# KiCad board ARTIQAmp.kicad_pcb (continued)
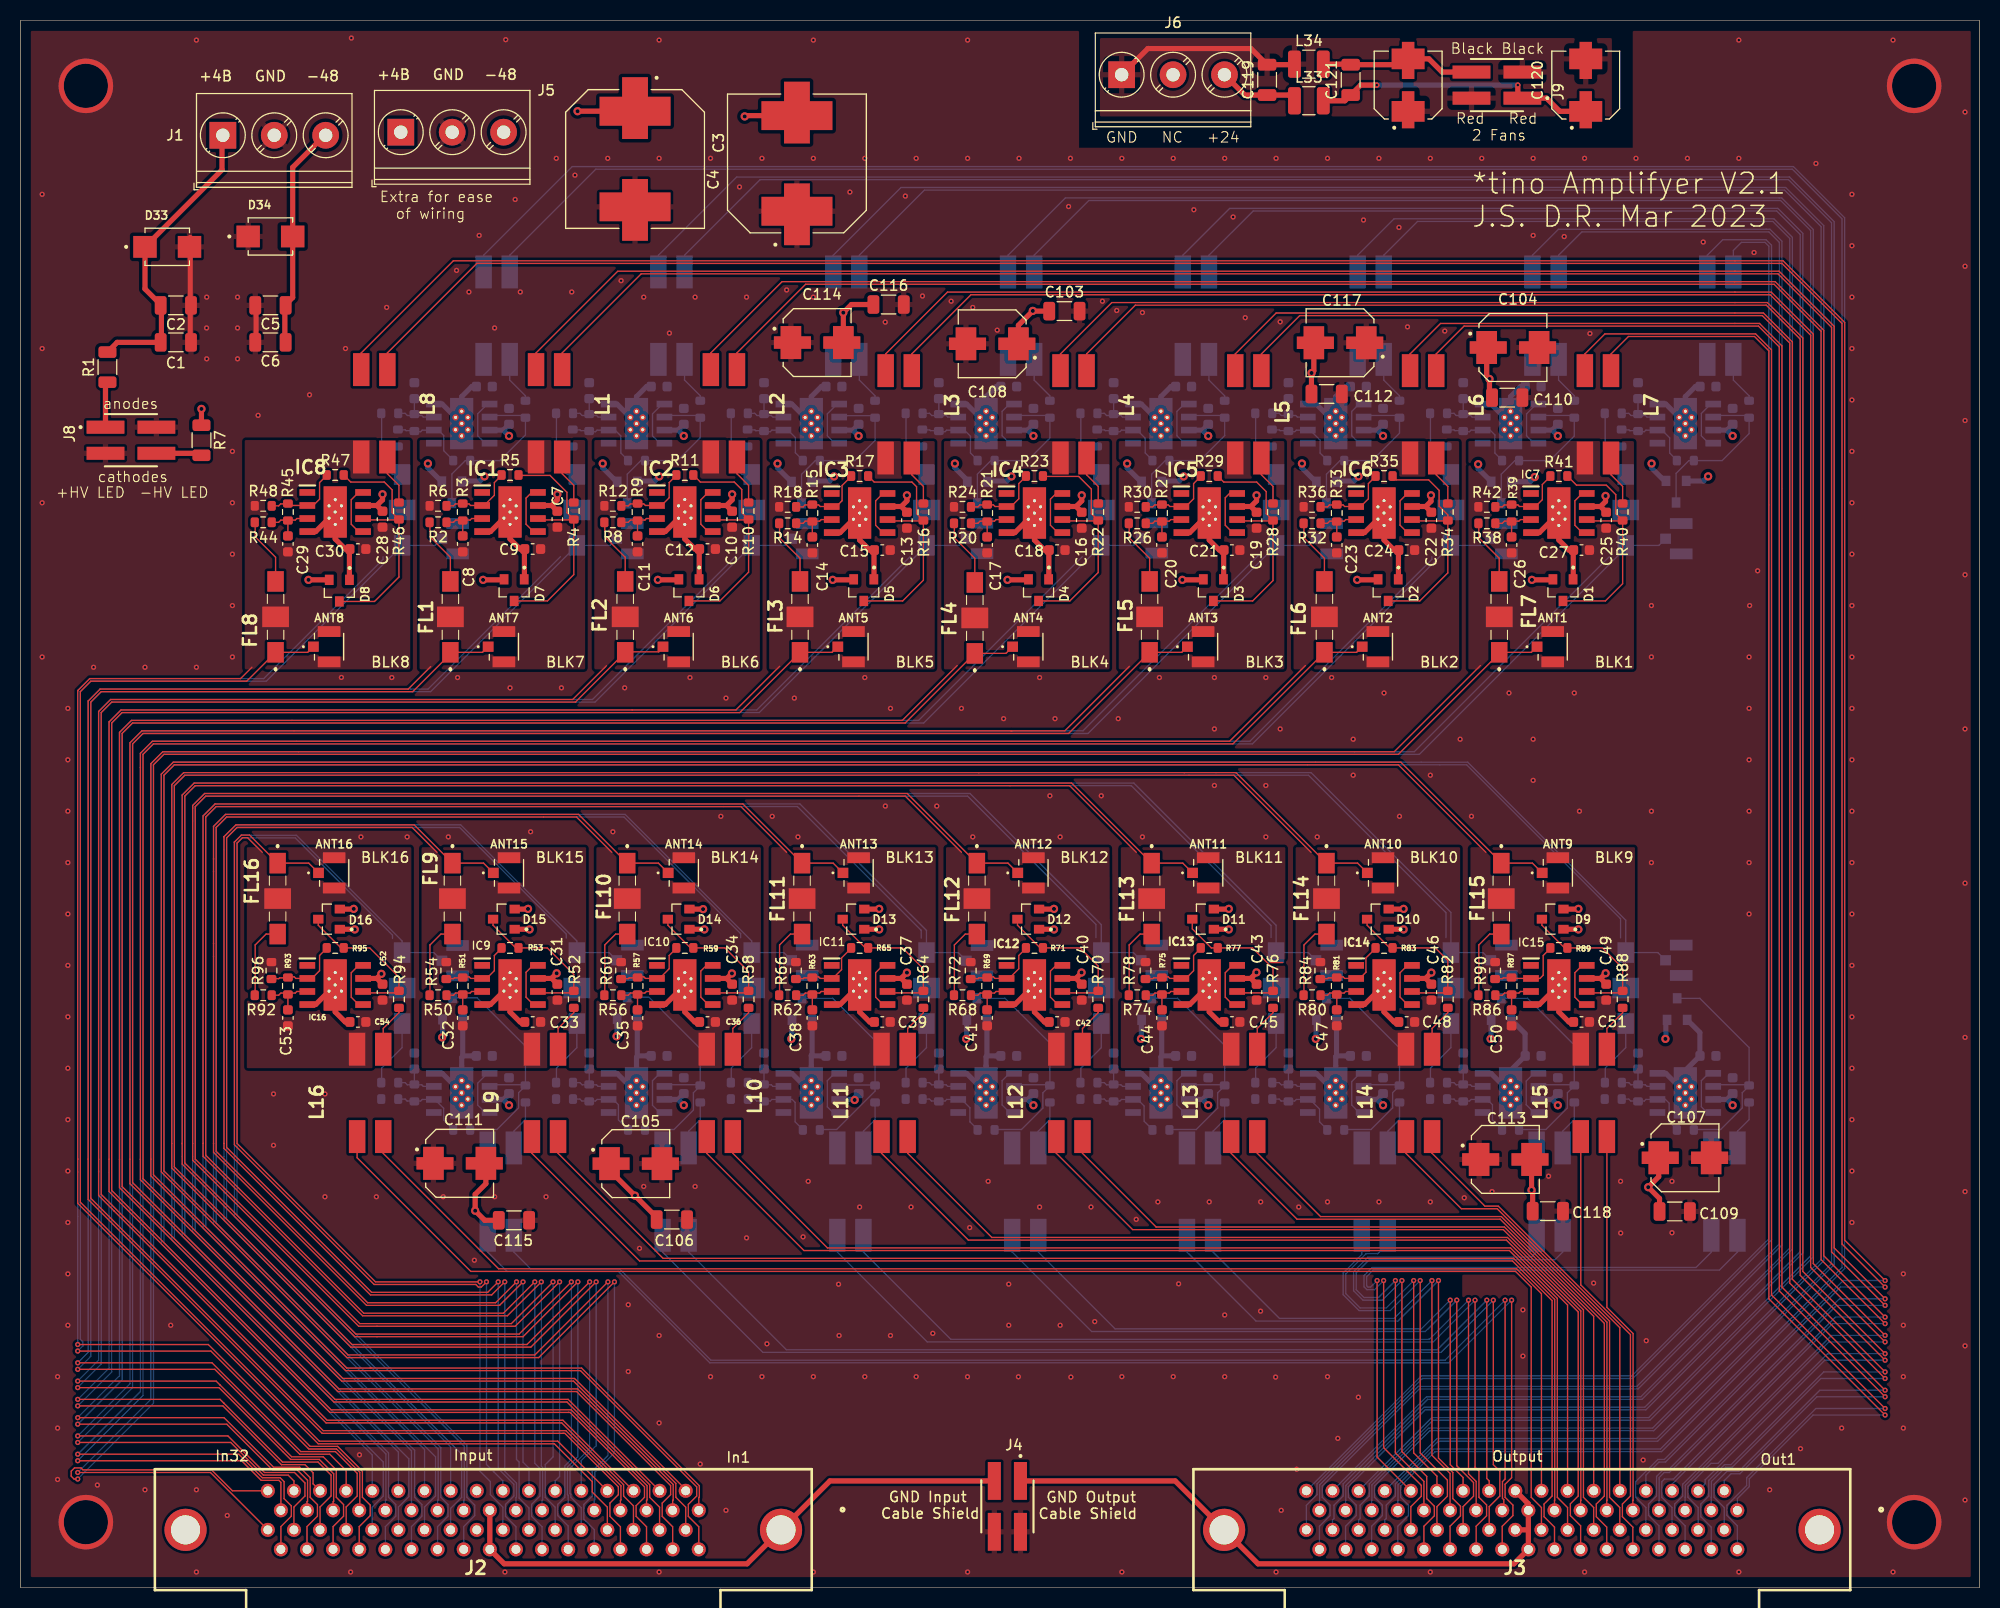
[diagram p0: board, top side]
## Placement (name value [footprint] x y rotation side) (continued)
R80  100  [R_0603_1608Metric]  125.6 57.6 180 top
R81  4.99k  [R_0603_1608Metric]  128 58.5 90 top
R82  30  [R_0603_1608Metric]  138.8 57.2 90 top
R83  4.99k  [R_0603_1608Metric]  132.6 62.2 0 top
R84  1.65k  [R_0603_1608Metric]  126.4 60 270 top
R86  100  [R_0603_1608Metric]  142.6 57.6 180 top
R87  4.99k  [R_0603_1608Metric]  145 58.5 90 top
R88  30  [R_0603_1608Metric]  155.8 57.2 90 top
R89  4.99k  [R_0603_1608Metric]  149.6 62.2 0 top
R90  1.65k  [R_0603_1608Metric]  143.4 60 270 top
R92  100  [R_0603_1608Metric]  23.6 57.6 180 top
R93  4.99k  [R_0603_1608Metric]  26 58.5 90 top
R94  30  [R_0603_1608Metric]  36.8 57.2 90 top
R95  4.99k  [R_0603_1608Metric]  30.6 62.2 0 top
R96  1.65k  [R_0603_1608Metric]  24.4 60 270 top
R98  100  [R_0603_1608Metric]  52.9 114.2 180 bottom
R99  4.99k  [R_0603_1608Metric]  55.3 113.3 270 bottom
R100  30  [R_0603_1608Metric]  66.1 114.6 270 bottom
R101  4.99k  [R_0603_1608Metric]  59.9 109.6 0 bottom
R102  1.65k  [R_0603_1608Metric]  53.7 111.8 90 bottom
R104  100  [R_0603_1608Metric]  69.9 114.2 180 bottom
R105  4.99k  [R_0603_1608Metric]  72.3 113.3 270 bottom
R106  30  [R_0603_1608Metric]  83.1 114.6 270 bottom
R107  4.99k  [R_0603_1608Metric]  76.9 109.6 0 bottom
R108  1.65k  [R_0603_1608Metric]  70.7 111.8 90 bottom
R110  100  [R_0603_1608Metric]  86.9 114.2 180 bottom
R111  4.99k  [R_0603_1608Metric]  89.3 113.3 270 bottom
R112  30  [R_0603_1608Metric]  100.1 114.6 270 bottom
R113  4.99k  [R_0603_1608Metric]  93.9 109.6 0 bottom
R114  1.65k  [R_0603_1608Metric]  87.7 111.8 90 bottom
R116  100  [R_0603_1608Metric]  103.9 114.2 180 bottom
R117  4.99k  [R_0603_1608Metric]  106.3 113.3 270 bottom
R118  30  [R_0603_1608Metric]  117.1 114.6 270 bottom
R119  4.99k  [R_0603_1608Metric]  110.9 109.6 0 bottom
R120  1.65k  [R_0603_1608Metric]  104.7 111.8 90 bottom
R122  100  [R_0603_1608Metric]  120.9 114.2 180 bottom
R123  4.99k  [R_0603_1608Metric]  123.3 113.3 270 bottom
R124  30  [R_0603_1608Metric]  134.1 114.6 270 bottom
R125  4.99k  [R_0603_1608Metric]  127.9 109.6 0 bottom
R126  1.65k  [R_0603_1608Metric]  121.7 111.8 90 bottom
R128  100  [R_0603_1608Metric]  137.9 114.2 180 bottom
R129  4.99k  [R_0603_1608Metric]  140.3 113.3 270 bottom
R130  30  [R_0603_1608Metric]  151.1 114.6 270 bottom
R131  4.99k  [R_0603_1608Metric]  144.9 109.6 0 bottom
R132  1.65k  [R_0603_1608Metric]  138.7 111.8 90 bottom
R134  100  [R_0603_1608Metric]  154.89 114.2 180 bottom
R135  4.99k  [R_0603_1608Metric]  157.3 113.3 270 bottom
R136  30  [R_0603_1608Metric]  168.1 114.6 270 bottom
R137  4.99k  [R_0603_1608Metric]  161.9 109.6 0 bottom
R138  1.65k  [R_0603_1608Metric]  155.7 111.8 90 bottom
R140  100  [R_0603_1608Metric]  35.9 114.2 180 bottom
R141  4.99k  [R_0603_1608Metric]  38.3 113.3 270 bottom
R142  30  [R_0603_1608Metric]  49.1 114.6 270 bottom
R143  4.99k  [R_0603_1608Metric]  42.9 109.6 0 bottom
R144  1.65k  [R_0603_1608Metric]  36.7 111.8 90 bottom
R146  100  [R_0603_1608Metric]  52.9 49.1 180 bottom
R147  4.99k  [R_0603_1608Metric]  55.3 48.1 270 bottom
R148  30  [R_0603_1608Metric]  66.1 48 90 bottom
R149  4.99k  [R_0603_1608Metric]  59.9 44.5 0 bottom
R150  1.65k  [R_0603_1608Metric]  52.9 47.5 0 bottom
R152  100  [R_0603_1608Metric]  69.9 49.1 180 bottom
R153  4.99k  [R_0603_1608Metric]  72.3 48.1 270 bottom
R154  30  [R_0603_1608Metric]  83.1 48 90 bottom
R155  4.99k  [R_0603_1608Metric]  76.9 44.5 0 bottom
R156  1.65k  [R_0603_1608Metric]  69.9 47.5 0 bottom
R158  100  [R_0603_1608Metric]  86.9 49.1 180 bottom
R159  4.99k  [R_0603_1608Metric]  89.3 48.1 270 bottom
R160  30  [R_0603_1608Metric]  100.1 48 90 bottom
R161  4.99k  [R_0603_1608Metric]  93.9 44.5 0 bottom
R162  1.65k  [R_0603_1608Metric]  86.9 47.5 0 bottom
R164  100  [R_0603_1608Metric]  103.9 49.1 180 bottom
R165  4.99k  [R_0603_1608Metric]  106.3 48.1 270 bottom
R166  30  [R_0603_1608Metric]  117.1 48 90 bottom
R167  4.99k  [R_0603_1608Metric]  110.9 44.5 0 bottom
R168  1.65k  [R_0603_1608Metric]  103.9 47.5 0 bottom
R170  100  [R_0603_1608Metric]  120.9 49.1 180 bottom
R171  4.99k  [R_0603_1608Metric]  123.3 48.1 270 bottom
R172  30  [R_0603_1608Metric]  134.1 48 90 bottom
R173  4.99k  [R_0603_1608Metric]  127.9 44.5 0 bottom
R174  1.65k  [R_0603_1608Metric]  120.9 47.5 0 bottom
R176  100  [R_0603_1608Metric]  137.9 49.1 180 bottom
R177  4.99k  [R_0603_1608Metric]  140.3 48.1 270 bottom
R178  30  [R_0603_1608Metric]  151.1 48 90 bottom
R179  4.99k  [R_0603_1608Metric]  144.9 44.5 0 bottom
R180  1.65k  [R_0603_1608Metric]  137.9 47.5 0 bottom
R182  100  [R_0603_1608Metric]  154.9 49.1 180 bottom
R183  4.99k  [R_0603_1608Metric]  157.3 48.1 270 bottom
R184  30  [R_0603_1608Metric]  168.1 48 90 bottom
R185  4.99k  [R_0603_1608Metric]  161.9 44.5 0 bottom
R186  1.65k  [R_0603_1608Metric]  154.89 47.5 0 bottom
R188  100  [R_0603_1608Metric]  35.9 49.1 180 bottom
R189  4.99k  [R_0603_1608Metric]  38.3 48.1 270 bottom
R190  30  [R_0603_1608Metric]  49.1 48 90 bottom
R191  4.99k  [R_0603_1608Metric]  42.9 44.5 0 bottom
R192  1.65k  [R_0603_1608Metric]  35.9 47.5 0 bottom

## Library data of the parts
ANT1-ANT32 = -: Description: U.FL Series 50 Ohm Receptacle Male Pins Ultra Small SMT Coaxial Connector; AVAILABILITY: Y; Digikey Number: H9161TR-ND; Height: 2.5; MANUFACTURER: Hirose; Manufacturer_Part_Number: U.FL-R-SMT(10)
C1 C2 C5 C6 C103 C106 C109 C110 C112 C115 C116 C118 C119 C121 = -: Description: CAP CER 1UF 100V X7R 1206; AVAILABILITY: Y; Digikey Number: 1276-1838-1-ND; Height: 1.8; MANUFACTURER: Samsung; Manufacturer_Part_Number: CL31B105KCHNNNE
C3 C4 = -: Description: CAP ALUM 47UF 20% 100V SMD; AVAILABILITY: Y; Digikey Number: P124728CT-ND; Height: 13.8; MANUFACTURER: Panasonic; Manufacturer_Part_Number: EEE-FK2A470AV
C7 C9 C10 C12 C13 C15 C16 C18 C19 C21 C22 C24 C25 C27 C28 C30 C31 C33 C34 C36 C37 C39 C40 C42 C43 C45 C46 C48 C49 C51 C52 C54 C55 C57 C58 C60 C61 C63 C64 C66 C67 C69 C70 C72 C73 C75 C76 C78 C79 C81 C82 C84 C85 C87 C88 C90 C91 C93 C94 C96 C97 C99 C100 C102 = -: Description: CAP CER 0.1UF 100V X7R 0603; AVAILABILITY: Y; Digikey Number: 1276-6807-1-ND; Height: 0.9; MANUFACTURER: Samsung; Manufacturer_Part_Number: CL10B104KC8NNNC
C8 C11 C14 C17 C20 C23 C26 C29 C32 C35 C38 C41 C44 C47 C50 C53 C56 C59 C62 C65 C68 C71 C74 C77 C80 C83 C86 C89 C92 C95 C98 C101 = -: Description: CAP CER 1000PF 100V X7R 0603; AVAILABILITY: Y; Digikey Number: 1276-1131-1-ND; Height: 0.9; MANUFACTURER: Samsung; Manufacturer_Part_Number: CL10B102KC8NNNC
C104 C105 C107 C108 C111 C113 C114 C117 C120 C122 = -: Description: CAP ALUM POLY HYB 10UF 63V SMD; AVAILABILITY: Y; Digikey Number: 565-HHXD630ARA100MF80GCT-ND; MANUFACTURER: United Chemi-Con; Manufacturer_Part_Number: HHXD630ARA100MF80G
D1-D8 D17-D24 = -: Description: X34 PB-F SWITCHING DIODE SOT23; AVAILABILITY: Y; Digikey Number: 264-BAV99LMTR-ND; Height: 1.1; MANUFACTURER: Toshiba; Manufacturer_Part_Number: BAV99,LM
D9-D16 D25-D32 = -: Description: TVS DIODE 80VWM 20VC TO236AB; AVAILABILITY: Y; Digikey Number: 1727-5056-2-ND; Height: 1.1; MANUFACTURER: Nexperia
D33 D34 = -: Description: 25NS, 6A, 100V, ULTRA FAST RECOV; AVAILABILITY: Y; Digikey Number: 1801-PU6BBHCT-ND; MANUFACTURER: Taiwan Semiconductor
FL1-FL32 = -: Description: SMT EMI filter capacitor,4700pF 50Vdc Murata NFE61HT / PT Series 2A 50 V dc SMD Power Line Filter, with Solder Pad Terminals; AVAILABILITY: Y; Digikey Number: 490-2554-2-ND; Height: 1.9; MANUFACTURER: Murata Electronics
IC1-IC32 = -: Description: IC OPAMP GP 1 CIRCUIT 8SOIC; AVAILABILITY: Y; Digikey Number: 505-LTC6090CS8E#PBF-ND; MANUFACTURER: Analog Devices Inc.
J1 J5 J6 = -: Description: TERM BLK 3POS SIDE ENTRY 5MM PCB; AVAILABILITY: Y; Digikey Number: 277-1578-ND; MANUFACTURER: Phoenix Contact; Manufacturer_Part_Number: 1935174
J2 J3 = -: Description: CONN D-TYPE RCPT 68POS R/A SLDR; AVAILABILITY: Y; Digikey Number: A31814-ND; MANUFACTURER: TE Connectivity AMP Connectors; Manufacturer_Part_Number: 5787082-7
J4 J8 J9 = -: Description: CONN HEADER SMD 4POS 2.54MM; AVAILABILITY: Y; Digikey Number: SAM10780-ND; MANUFACTURER: Samtec Inc.
L1-L32 = -: Description: SMD Common Mode Line Filter WE-SL5; AVAILABILITY: Y; Digikey Number: 732-1488-1-ND; MANUFACTURER: Wurth Elektronik; Manufacturer_Part_Number: 744229
L33 L34 = -: Description: FIXED IND 1MH 100MA 13 OHM SMD; AVAILABILITY: Y; Digikey Number: 587-3214-2-ND; MANUFACTURER: Taiyo Yuden; Manufacturer_Part_Number: CBC3225T102KR
R1 = -: Description: RES 3K OHM 5% 1W 2512; AVAILABILITY: Y; Digikey Number: RMCF2512JT3K00TR-ND; MANUFACTURER: Stackpole Electronics Inc; Manufacturer_Part_Number: RMCF2512JT3K00
R2 R8 R14 R20 R26 R32 R38 R44 R50 R56 R62 R68 R74 R80 R86 R92 R98 R104 R110 R116 R122 R128 R134 R140 R146 R152 R158 R164 R170 R176 R182 R188 = -: Description: RES 100 OHM 1% 1/10W 0603; AVAILABILITY: Y; Digikey Number: RMCF0603FG100RCT-ND; MANUFACTURER: Stackpole Electronics Inc; Manufacturer_Part_Number: RMCF0603FG100R
R3 R5 R9 R11 R15 R17 R21 R23 R27 R29 R33 R35 R39 R41 R45 R47 R51 R53 R57 R59 R63 R65 R69 R71 R75 R77 R81 R83 R87 R89 R93 R95 R99 R101 R105 R107 R111 R113 R117 R119 R123 R125 R129 R131 R135 R137 R141 R143 R147 R149 R153 R155 R159 R161 R165 R167 R171 R173 R177 R179 R183 R185 R189 R191 = -: Description: RES SMD 4.99K OHM 1% 1/10W 0603; AVAILABILITY: Y; Digikey Number: RMCF0603FT4K99CT-ND; MANUFACTURER: Stackpole Electronics Inc; Manufacturer_Part_Number: RMCF0603FT4K99
R4 R10 R16 R22 R28 R34 R40 R46 R52 R58 R64 R70 R76 R82 R88 R94 R100 R106 R112 R118 R124 R130 R136 R142 R148 R154 R160 R166 R172 R178 R184 R190 = -: Description: RES 30 OHM 1% 1/10W 0603; AVAILABILITY: Y; Digikey Number: 738-RMCF0603FT30R0CT-ND; MANUFACTURER: Stackpole Electronics Inc; Manufacturer_Part_Number: RMCF0603FT30R0
R6 R12 R18 R24 R30 R36 R42 R48 R54 R60 R66 R72 R78 R84 R90 R96 R102 R108 R114 R120 R126 R132 R138 R144 R150 R156 R162 R168 R174 R180 R186 R192 = -: Description: RES 1.65K OHM 1% 1/10W 0603; AVAILABILITY: Y; Digikey Number: RMCF0603FT1K65CT-ND; MANUFACTURER: Stackpole Electronics Inc; Manufacturer_Part_Number: RMCF0603FT1K65
R7 = -: Description: RES 30 OHM 1% 1/10W 0603; AVAILABILITY: Y; Digikey Number: 541-1.20KUTR-ND; MANUFACTURER: Stackpole Electronics Inc; Manufacturer_Part_Number: RMCF0603FT30R0

## Footprints (pads in the part's own frame, mm; a bottom-side part is the same pattern mirrored in y, then rotated)
5787082-7_1
  round 1.36 hole 0.86: 1(20.955,1.9) 2(19.685,3.8) 3(18.415,1.9) 4(17.145,3.8) 5(15.875,1.9) 6(14.605,3.8) 7(13.335,1.9) 8(12.065,3.8) 9(10.795,1.9) 10(9.525,3.8) 11(8.255,1.9) 12(6.985,3.8) 13(5.715,1.9) 14(4.445,3.8) 15(3.175,1.9) 16(1.905,3.8) 17(0.635,1.9) 18(-0.635,3.8) 19(-1.905,1.9) 20(-3.175,3.8) 21(-4.445,1.9) 22(-5.715,3.8) 23(-6.985,1.9) 24(-8.255,3.8) 25(-9.525,1.9) 26(-10.795,3.8) 27(-12.065,1.9) 28(-13.335,3.8) 29(-14.605,1.9) 30(-15.875,3.8) 31(-17.145,1.9) 32(-18.415,3.8) 33(-19.685,1.9) 34(-20.955,3.8) 35(20.955,-1.9) 36(19.685,0) 37(18.415,-1.9) 38(17.145,0) 39(15.875,-1.9) 40(14.605,0) 41(13.335,-1.9) 42(12.065,0) 43(10.795,-1.9) 44(9.525,0) 45(8.255,-1.9) 46(6.985,0) 47(5.715,-1.9) 48(4.445,0) 49(3.175,-1.9) 50(1.905,0) 51(0.635,-1.9) 52(-0.635,0) 53(-1.905,-1.9) 54(-3.175,0) 55(-4.445,-1.9) 56(-5.715,0) 57(-6.985,-1.9) 58(-8.255,0) 59(-9.525,-1.9) 60(-10.795,0) 61(-12.065,-1.9) 62(-13.335,0) 63(-14.605,-1.9) 64(-15.875,0) 65(-17.145,-1.9) 66(-18.415,0) 67(-19.685,-1.9) 68(-20.955,0)
  round 4.1 hole 2.83: 69(-28.955,0) 70(28.955,0)
C_0603_1608Metric
  rrect 0.9x0.95 smd: 1(-0.775,0) 2(0.775,0)
C_1206_3216Metric
  rrect 1.15x1.8 smd: 1(-1.475,0) 2(1.475,0)
CAP_EEEFK1H100V
  custom 3.61x3.21 smd: 1(-2.55,0) 2(2.55,0)
CAP_EEEFK2A470AV
  custom 6.01x6.91 smd: 1(-4.65,0) 2(4.65,0)
DIOM4336X265N
  rect 2.28x2.12 smd: A(2.165,0) C(-2.165,0)
HRS_U.FL-R-SMT(10)
  rect 1.05x1 smd: 1(-1.525,0)
  rect 2.2x1.05 smd: 2(0,1.475) 3(0,-1.475)
L_1210_3225Metric
  rrect 1.25x2.65 smd: 1(-1.4,0) 2(1.4,0)
NFE61
  rect 2x1.6 smd: 1(-3.45,0) 2(3.45,0)
  rect 2x2.6 smd: 3(0,0)
R_0603_1608Metric
  rrect 0.8x0.95 smd: 1(-0.825,0) 2(0.825,0)
R_1206_3216Metric
  rrect 1.125x1.75 smd: 1(-1.462,0) 2(1.462,0)
SAMTEC_TSM-102-01-L-DV
  rect 1.27x3.68 smd: 01(1.27,2.475) 02(1.27,-2.475) 03(-1.27,2.475) 04(-1.27,-2.475)
SOIC127P599X175-9N
  rect 1.526x0.65 smd: 1(-2.712,1.905) 2(-2.712,0.635) 3(-2.712,-0.635) 4(-2.712,-1.905) 5(2.712,-1.905) 6(2.712,-0.635) 7(2.712,0.635) 8(2.712,1.905)
  round 0.6 hole 0.3: 9(-0.6,0.6) 9(-0.6,-0.6) 9(0,1.2) 9(0,0) 9(0,-1.2) 9(0.6,0.6) 9(0.6,-0.6)
  rect 2.26x5 smd: 9(0,0)
TerminalBlock_Phoenix_PT-1,5-3-5.0-H_1x03_P5.00mm_Horizontal
  rect 2.6x2.6 hole 1.3: 1(0,0)
  round 2.6 hole 1.3: 2(5,0) 3(10,0)
TRANS_MMBT2907A
  rect 1x0.85 smd: 1(-1.05,0.98) 2(-1.05,-0.98) 3(1.05,0)
WE-SL2-WIDE
  rect 3.2x1.6 smd: 1(-4.25,1.27) 2(-4.25,-1.27) 3(4.25,-1.27) 4(4.25,1.27)

## Nets
+48V: C1.1 C2.1 C3.1 C7.2 C10.2 C13.2 C16.2 C19.2 C22.2 C25.2 C28.2 C31.2 C34.2 C37.2 C40.2 C43.2 C46.2 C49.2 C52.2 C55.2 C58.2 C61.2 C64.2 C67.2 C70.2 C73.2 C76.2 C79.2 C82.2 C85.2 C88.2 C91.2 C94.2 C97.2 C100.2 C103.1 C104.1 C105.1 C106.1 C107.1 C108.1 C109.1 C110.1 D1.2 D2.2 D3.2 D4.2 D5.2 D6.2 D7.2 D8.2 D9.2 D10.2 D11.2 D12.2 D13.2 D14.2 D15.2 D16.2 D17.2 D18.2 D19.2 D20.2 D21.2 D22.2 D23.2 D24.2 D25.2 D26.2 D27.2 D28.2 D29.2 D30.2 D31.2 D32.2 D33.C IC1.7 IC2.7 IC3.7 IC4.7 IC5.7 IC6.7 IC7.7 IC8.7 IC9.7 IC10.7 IC11.7 IC12.7 IC13.7 IC14.7 IC15.7 IC16.7 IC17.7 IC18.7 IC19.7 IC20.7 IC21.7 IC22.7 IC23.7 IC24.7 IC25.7 IC26.7 IC27.7 IC28.7 IC29.7 IC30.7 IC31.7 IC32.7 J1.1 J5.1 R1.2
-48V: C4.2 C5.1 C6.1 C9.2 C12.2 C15.2 C18.2 C21.2 C24.2 C27.2 C30.2 C33.2 C36.2 C39.2 C42.2 C45.2 C48.2 C51.2 C54.2 C57.2 C60.2 C63.2 C66.2 C69.2 C72.2 C75.2 C78.2 C81.2 C84.2 C87.2 C90.2 C93.2 C96.2 C99.2 C102.2 C111.2 C112.1 C113.2 C114.2 C115.1 C116.1 C117.2 C118.1 D1.1 D2.1 D3.1 D4.1 D5.1 D6.1 D7.1 D8.1 D9.1 D10.1 D11.1 D12.1 D13.1 D14.1 D15.1 D16.1 D17.1 D18.1 D19.1 D20.1 D21.1 D22.1 D23.1 D24.1 D25.1 D26.1 D27.1 D28.1 D29.1 D30.1 D31.1 D32.1 D34.A IC1.4 IC1.9 IC2.4 IC2.9 IC3.4 IC3.9 IC4.4 IC4.9 IC5.4 IC5.9 IC6.4 IC6.9 IC7.4 IC7.9 IC8.4 IC8.9 IC9.4 IC9.9 IC10.4 IC10.9 IC11.4 IC11.9 IC12.4 IC12.9 IC13.4 IC13.9 IC14.4 IC14.9 IC15.4 IC15.9 IC16.4 IC16.9 IC17.4 IC17.9 IC18.4 IC18.9 IC19.4 IC19.9 IC20.4 IC20.9 IC21.4 IC21.9 IC22.4 IC22.9 IC23.4 IC23.9 IC24.4 IC24.9 IC25.4 IC25.9 IC26.4 IC26.9 IC27.4 IC27.9 IC28.4 IC28.9 IC29.4 IC29.9 IC30.4 IC30.9 IC31.4 IC31.9 IC32.4 IC32.9 J1.3 J5.3 R7.1
GND: C1.2 C2.2 C3.2 C4.1 C5.2 C6.2 C103.2 C104.2 C105.2 C106.2 C107.2 C108.2 C109.2 C110.2 C111.1 C112.2 C113.1 C114.1 C115.2 C116.2 C117.1 C118.2 D33.A D34.C J1.2 J4.02 J4.04 J5.2 J8.02 J8.03
/D1_HV_OUT: J3.1 L7.3
/D1_HV_OUT_COM: J3.35 L7.4
/D1_IN: ANT1.1 FL7.1 J2.1
/D1_IN_COM: ANT1.2 ANT1.3 C25.1 C26.2 C27.1 FL7.3 J2.35 L7.1 R42.1
/D2_HV_OUT: J3.2 L6.3
/D2_HV_OUT_COM: J3.36 L6.4
/D2_IN: ANT2.1 FL6.1 J2.2
/D2_IN_COM: ANT2.2 ANT2.3 C22.1 C23.2 C24.1 FL6.3 J2.36 L6.1 R36.1
/D3_HV_OUT: J3.3 L5.3
/D3_HV_OUT_COM: J3.37 L5.4
/D3_IN: ANT3.1 FL5.1 J2.3
/D3_IN_COM: ANT3.2 ANT3.3 C19.1 C20.2 C21.1 FL5.3 J2.37 L5.1 R30.1
/D4_HV_OUT: J3.4 L4.3
/D4_HV_OUT_COM: J3.38 L4.4
/D4_IN: ANT4.1 FL4.1 J2.4
/D4_IN_COM: ANT4.2 ANT4.3 C16.1 C17.2 C18.1 FL4.3 J2.38 L4.1 R24.1
/D5_HV_OUT: J3.5 L3.3
/D5_HV_OUT_COM: J3.39 L3.4
/D5_IN: ANT5.1 FL3.1 J2.5
/D5_IN_COM: ANT5.2 ANT5.3 C13.1 C14.2 C15.1 FL3.3 J2.39 L3.1 R18.1
/D6_HV_OUT: J3.6 L2.3
/D6_HV_OUT_COM: J3.40 L2.4
/D6_IN: ANT6.1 FL2.1 J2.6
/D6_IN_COM: ANT6.2 ANT6.3 C10.1 C11.2 C12.1 FL2.3 J2.40 L2.1 R12.1
/D7_HV_OUT: J3.7 L1.3
/D7_HV_OUT_COM: J3.41 L1.4
/D7_IN: ANT7.1 FL1.1 J2.7
/D7_IN_COM: ANT7.2 ANT7.3 C7.1 C8.2 C9.1 FL1.3 J2.41 L1.1 R6.1
/D8_HV_OUT: J3.8 L8.3
/D8_HV_OUT_COM: J3.42 L8.4
/D8_IN: ANT8.1 FL8.1 J2.8
/D8_IN_COM: ANT8.2 ANT8.3 C28.1 C29.2 C30.1 FL8.3 J2.42 L8.1 R48.1
/D9_HV_OUT: J3.9 L15.4
/D9_HV_OUT_COM: J3.43 L15.3
/D9_IN: ANT9.1 FL15.1 J2.9
/D9_IN_COM: ANT9.2 ANT9.3 C49.1 C50.2 C51.1 FL15.3 J2.43 L15.2 R90.1
/D10_HV_OUT: J3.10 L14.4
/D10_HV_OUT_COM: J3.44 L14.3
/D10_IN: ANT10.1 FL14.1 J2.10
/D10_IN_COM: ANT10.2 ANT10.3 C46.1 C47.2 C48.1 FL14.3 J2.44 L14.2 R84.1
/D11_HV_OUT: J3.11 L13.4
/D11_HV_OUT_COM: J3.45 L13.3
/D11_IN: ANT11.1 FL13.1 J2.11
/D11_IN_COM: ANT11.2 ANT11.3 C43.1 C44.2 C45.1 FL13.3 J2.45 L13.2 R78.1
/D12_HV_OUT: J3.12 L12.4
/D12_HV_OUT_COM: J3.46 L12.3
/D12_IN: ANT12.1 FL12.1 J2.12
/D12_IN_COM: ANT12.2 ANT12.3 C40.1 C41.2 C42.1 FL12.3 J2.46 L12.2 R72.1
/D13_HV_OUT: J3.13 L11.4
/D13_HV_OUT_COM: J3.47 L11.3
/D13_IN: ANT13.1 FL11.1 J2.13
/D13_IN_COM: ANT13.2 ANT13.3 C37.1 C38.2 C39.1 FL11.3 J2.47 L11.2 R66.1
/D14_HV_OUT: J3.14 L10.4
/D14_HV_OUT_COM: J3.48 L10.3
/D14_IN: ANT14.1 FL10.1 J2.14
/D14_IN_COM: ANT14.2 ANT14.3 C34.1 C35.2 C36.1 FL10.3 J2.48 L10.2 R60.1
/D15_HV_OUT: J3.15 L9.4
/D15_HV_OUT_COM: J3.49 L9.3
/D15_IN: ANT15.1 FL9.1 J2.15
/D15_IN_COM: ANT15.2 ANT15.3 C31.1 C32.2 C33.1 FL9.3 J2.49 L9.2 R54.1
/D16_HV_OUT: J3.16 L16.4
/D16_HV_OUT_COM: J3.50 L16.3
/D16_IN: ANT16.1 FL16.1 J2.16
/D16_IN_COM: ANT16.2 ANT16.3 C52.1 C53.2 C54.1 FL16.3 J2.50 L16.2 R96.1
/D17_HV_OUT: J3.19 L32.3
/D17_HV_OUT_COM: J3.53 L32.4
/D17_IN: ANT17.1 FL32.1 J2.19
/D17_IN_COM: ANT17.2 ANT17.3 C100.1 C101.2 C102.1 FL32.3 J2.53 L32.1 R192.1
/D18_HV_OUT: J3.20 L25.3
/D18_HV_OUT_COM: J3.54 L25.4
/D18_IN: ANT18.1 FL25.1 J2.20
/D18_IN_COM: ANT18.2 ANT18.3 C79.1 C80.2 C81.1 FL25.3 J2.54 L25.1 R150.1
/D19_HV_OUT: J3.21 L26.3
/D19_HV_OUT_COM: J3.55 L26.4
/D19_IN: ANT19.1 FL26.1 J2.21
/D19_IN_COM: ANT19.2 ANT19.3 C82.1 C83.2 C84.1 FL26.3 J2.55 L26.1 R156.1
/D20_HV_OUT: J3.22 L27.3
/D20_HV_OUT_COM: J3.56 L27.4
/D20_IN: ANT20.1 FL27.1 J2.22
/D20_IN_COM: ANT20.2 ANT20.3 C85.1 C86.2 C87.1 FL27.3 J2.56 L27.1 R162.1
/D21_HV_OUT: J3.23 L28.3
/D21_HV_OUT_COM: J3.57 L28.4
/D21_IN: ANT21.1 FL28.1 J2.23
/D21_IN_COM: ANT21.2 ANT21.3 C88.1 C89.2 C90.1 FL28.3 J2.57 L28.1 R168.1
/D22_HV_OUT: J3.24 L29.3
/D22_HV_OUT_COM: J3.58 L29.4
/D22_IN: ANT22.1 FL29.1 J2.24
/D22_IN_COM: ANT22.2 ANT22.3 C91.1 C92.2 C93.1 FL29.3 J2.58 L29.1 R174.1
/D23_HV_OUT: J3.25 L30.3
/D23_HV_OUT_COM: J3.59 L30.4
/D23_IN: ANT23.1 FL30.1 J2.25
/D23_IN_COM: ANT23.2 ANT23.3 C94.1 C95.2 C96.1 FL30.3 J2.59 L30.1 R180.1
/D24_HV_OUT: J3.26 L31.3
/D24_HV_OUT_COM: J3.60 L31.4
/D24_IN: ANT24.1 FL31.1 J2.26
/D24_IN_COM: ANT24.2 ANT24.3 C97.1 C98.2 C99.1 FL31.3 J2.60 L31.1 R186.1
/D25_HV_OUT: J3.27 L24.4
/D25_HV_OUT_COM: J3.61 L24.3
/D25_IN: ANT25.1 FL24.1 J2.27
/D25_IN_COM: ANT25.2 ANT25.3 C76.1 C77.2 C78.1 FL24.3 J2.61 L24.2 R144.1
/D26_HV_OUT: J3.28 L17.4
/D26_HV_OUT_COM: J3.62 L17.3
/D26_IN: ANT26.1 FL17.1 J2.28
/D26_IN_COM: ANT26.2 ANT26.3 C55.1 C56.2 C57.1 FL17.3 J2.62 L17.2 R102.1
/D27_HV_OUT: J3.29 L18.4
/D27_HV_OUT_COM: J3.63 L18.3
/D27_IN: ANT27.1 FL18.1 J2.29
/D27_IN_COM: ANT27.2 ANT27.3 C58.1 C59.2 C60.1 FL18.3 J2.63 L18.2 R108.1
/D28_HV_OUT: J3.30 L19.4
/D28_HV_OUT_COM: J3.64 L19.3
/D28_IN: ANT28.1 FL19.1 J2.30
/D28_IN_COM: ANT28.2 ANT28.3 C61.1 C62.2 C63.1 FL19.3 J2.64 L19.2 R114.1
/D29_HV_OUT: J3.31 L20.4
/D29_HV_OUT_COM: J3.65 L20.3
/D29_IN: ANT29.1 FL20.1 J2.31
/D29_IN_COM: ANT29.2 ANT29.3 C64.1 C65.2 C66.1 FL20.3 J2.65 L20.2 R120.1
/D30_HV_OUT: J3.32 L21.4
/D30_HV_OUT_COM: J3.66 L21.3
/D30_IN: ANT30.1 FL21.1 J2.32
/D30_IN_COM: ANT30.2 ANT30.3 C67.1 C68.2 C69.1 FL21.3 J2.66 L21.2 R126.1
/D31_HV_OUT: J3.33 L22.4
/D31_HV_OUT_COM: J3.67 L22.3
/D31_IN: ANT31.1 FL22.1 J2.33
/D31_IN_COM: ANT31.2 ANT31.3 C70.1 C71.2 C72.1 FL22.3 J2.67 L22.2 R132.1
/D32_HV_OUT: J3.34 L23.4
/D32_HV_OUT_COM: J3.68 L23.3
/D32_IN: ANT32.1 FL23.1 J2.34
/D32_IN_COM: ANT32.2 ANT32.3 C73.1 C74.2 C75.1 FL23.3 J2.68 L23.2 R138.1
Net-(C8-Pad1): C8.1 IC1.3 R2.1 R3.1
Net-(C11-Pad1): C11.1 IC2.3 R8.1 R9.1
Net-(C14-Pad1): C14.1 IC3.3 R14.1 R15.1
Net-(C17-Pad1): C17.1 IC4.3 R20.1 R21.1
Net-(C20-Pad1): C20.1 IC5.3 R26.1 R27.1
Net-(C23-Pad1): C23.1 IC6.3 R32.1 R33.1
Net-(C26-Pad1): C26.1 IC7.3 R38.1 R39.1
Net-(C29-Pad1): C29.1 IC8.3 R44.1 R45.1
Net-(C32-Pad1): C32.1 IC9.3 R50.1 R51.1
Net-(C35-Pad1): C35.1 IC10.3 R56.1 R57.1
Net-(C38-Pad1): C38.1 IC11.3 R62.1 R63.1
Net-(C41-Pad1): C41.1 IC12.3 R68.1 R69.1
Net-(C44-Pad1): C44.1 IC13.3 R74.1 R75.1
Net-(C47-Pad1): C47.1 IC14.3 R80.1 R81.1
Net-(C50-Pad1): C50.1 IC15.3 R86.1 R87.1
Net-(C53-Pad1): C53.1 IC16.3 R92.1 R93.1
Net-(C56-Pad1): C56.1 IC17.3 R98.1 R99.1
Net-(C59-Pad1): C59.1 IC18.3 R104.1 R105.1
Net-(C62-Pad1): C62.1 IC19.3 R110.1 R111.1
Net-(C65-Pad1): C65.1 IC20.3 R116.1 R117.1
Net-(C68-Pad1): C68.1 IC21.3 R122.1 R123.1
Net-(C71-Pad1): C71.1 IC22.3 R128.1 R129.1
Net-(C74-Pad1): C74.1 IC23.3 R134.1 R135.1
Net-(C77-Pad1): C77.1 IC24.3 R140.1 R141.1
Net-(C80-Pad1): C80.1 IC25.3 R146.1 R147.1
Net-(C83-Pad1): C83.1 IC26.3 R152.1 R153.1
Net-(C86-Pad1): C86.1 IC27.3 R158.1 R159.1
Net-(C89-Pad1): C89.1 IC28.3 R164.1 R165.1
Net-(C92-Pad1): C92.1 IC29.3 R170.1 R171.1
Net-(C95-Pad1): C95.1 IC30.3 R176.1 R177.1
Net-(C98-Pad1): C98.1 IC31.3 R182.1 R183.1
Net-(C101-Pad1): C101.1 IC32.3 R188.1 R189.1
Net-(C120-Pad1): C120.1 C121.1 J9.01 L33.2
Net-(C120-Pad2): C120.2 C122.1 J9.02 J9.03
Net-(C122-Pad2): C121.2 C122.2 J9.04 L34.2
Net-(D1-Pad3): D1.3 IC7.6 R40.2 R41.2
Net-(D2-Pad3): D2.3 IC6.6 R34.2 R35.2
Net-(D3-Pad3): D3.3 IC5.6 R28.2 R29.2
Net-(D4-Pad3): D4.3 IC4.6 R22.2 R23.2
Net-(D5-Pad3): D5.3 IC3.6 R16.2 R17.2
Net-(D6-Pad3): D6.3 IC2.6 R10.2 R11.2
Net-(D7-Pad3): D7.3 IC1.6 R4.2 R5.2
Net-(D8-Pad3): D8.3 IC8.6 R46.2 R47.2
Net-(D9-Pad3): D9.3 IC15.6 R88.2 R89.2
Net-(D10-Pad3): D10.3 IC14.6 R82.2 R83.2
Net-(D11-Pad3): D11.3 IC13.6 R76.2 R77.2
Net-(D12-Pad3): D12.3 IC12.6 R70.2 R71.2
Net-(D13-Pad3): D13.3 IC11.6 R64.2 R65.2
Net-(D14-Pad3): D14.3 IC10.6 R58.2 R59.2
Net-(D15-Pad3): D15.3 IC9.6 R52.2 R53.2
Net-(D16-Pad3): D16.3 IC16.6 R94.2 R95.2
Net-(D17-Pad3): D17.3 IC32.6 R190.2 R191.2
Net-(D18-Pad3): D18.3 IC25.6 R148.2 R149.2
Net-(D19-Pad3): D19.3 IC26.6 R154.2 R155.2
Net-(D20-Pad3): D20.3 IC27.6 R160.2 R161.2
Net-(D21-Pad3): D21.3 IC28.6 R166.2 R167.2
Net-(D22-Pad3): D22.3 IC29.6 R172.2 R173.2
Net-(D23-Pad3): D23.3 IC30.6 R178.2 R179.2
Net-(D24-Pad3): D24.3 IC31.6 R184.2 R185.2
Net-(D25-Pad3): D25.3 IC24.6 R142.2 R143.2
Net-(D26-Pad3): D26.3 IC17.6 R100.2 R101.2
Net-(D27-Pad3): D27.3 IC18.6 R106.2 R107.2
Net-(D28-Pad3): D28.3 IC19.6 R112.2 R113.2
Net-(D29-Pad3): D29.3 IC20.6 R118.2 R119.2
Net-(D30-Pad3): D30.3 IC21.6 R124.2 R125.2
Net-(D31-Pad3): D31.3 IC22.6 R130.2 R131.2
Net-(D32-Pad3): D32.3 IC23.6 R136.2 R137.2
Net-(FL1-Pad2): FL1.2 R2.2
Net-(FL2-Pad2): FL2.2 R8.2
Net-(FL3-Pad2): FL3.2 R14.2
Net-(FL4-Pad2): FL4.2 R20.2
Net-(FL5-Pad2): FL5.2 R26.2
Net-(FL6-Pad2): FL6.2 R32.2
Net-(FL7-Pad2): FL7.2 R38.2
Net-(FL8-Pad2): FL8.2 R44.2
Net-(FL9-Pad2): FL9.2 R50.2
Net-(FL10-Pad2): FL10.2 R56.2
Net-(FL11-Pad2): FL11.2 R62.2
Net-(FL12-Pad2): FL12.2 R68.2
Net-(FL13-Pad2): FL13.2 R74.2
Net-(FL14-Pad2): FL14.2 R80.2
Net-(FL15-Pad2): FL15.2 R86.2
Net-(FL16-Pad2): FL16.2 R92.2
Net-(FL17-Pad2): FL17.2 R98.2
Net-(FL18-Pad2): FL18.2 R104.2
Net-(FL19-Pad2): FL19.2 R110.2
Net-(FL20-Pad2): FL20.2 R116.2
Net-(FL21-Pad2): FL21.2 R122.2
Net-(FL22-Pad2): FL22.2 R128.2
Net-(FL23-Pad2): FL23.2 R134.2
Net-(FL24-Pad2): FL24.2 R140.2
Net-(FL25-Pad2): FL25.2 R146.2
Net-(FL26-Pad2): FL26.2 R152.2
Net-(FL27-Pad2): FL27.2 R158.2
Net-(FL28-Pad2): FL28.2 R164.2
Net-(FL29-Pad2): FL29.2 R170.2
Net-(FL30-Pad2): FL30.2 R176.2
Net-(FL31-Pad2): FL31.2 R182.2
Net-(FL32-Pad2): FL32.2 R188.2
Net-(IC1-Pad2): IC1.2 R3.2 R5.1 R6.2
Net-(IC1-Pad5): IC1.5 IC1.8
Net-(IC2-Pad2): IC2.2 R9.2 R11.1 R12.2
Net-(IC2-Pad5): IC2.5 IC2.8
Net-(IC3-Pad2): IC3.2 R15.2 R17.1 R18.2
Net-(IC3-Pad5): IC3.5 IC3.8
Net-(IC4-Pad2): IC4.2 R21.2 R23.1 R24.2
Net-(IC4-Pad5): IC4.5 IC4.8
Net-(IC5-Pad2): IC5.2 R27.2 R29.1 R30.2
Net-(IC5-Pad5): IC5.5 IC5.8
Net-(IC6-Pad2): IC6.2 R33.2 R35.1 R36.2
Net-(IC6-Pad5): IC6.5 IC6.8
Net-(IC7-Pad2): IC7.2 R39.2 R41.1 R42.2
Net-(IC7-Pad5): IC7.5 IC7.8
Net-(IC8-Pad2): IC8.2 R45.2 R47.1 R48.2
Net-(IC8-Pad5): IC8.5 IC8.8
Net-(IC9-Pad2): IC9.2 R51.2 R53.1 R54.2
Net-(IC9-Pad5): IC9.5 IC9.8
Net-(IC10-Pad2): IC10.2 R57.2 R59.1 R60.2
Net-(IC10-Pad5): IC10.5 IC10.8
Net-(IC11-Pad2): IC11.2 R63.2 R65.1 R66.2
Net-(IC11-Pad5): IC11.5 IC11.8
Net-(IC12-Pad2): IC12.2 R69.2 R71.1 R72.2
Net-(IC12-Pad5): IC12.5 IC12.8
Net-(IC13-Pad2): IC13.2 R75.2 R77.1 R78.2
Net-(IC13-Pad5): IC13.5 IC13.8
Net-(IC14-Pad2): IC14.2 R81.2 R83.1 R84.2
Net-(IC14-Pad5): IC14.5 IC14.8
Net-(IC15-Pad2): IC15.2 R87.2 R89.1 R90.2
Net-(IC15-Pad5): IC15.5 IC15.8
Net-(IC16-Pad2): IC16.2 R93.2 R95.1 R96.2
Net-(IC16-Pad5): IC16.5 IC16.8
Net-(IC17-Pad2): IC17.2 R99.2 R101.1 R102.2
Net-(IC17-Pad5): IC17.5 IC17.8
Net-(IC18-Pad2): IC18.2 R105.2 R107.1 R108.2
Net-(IC18-Pad5): IC18.5 IC18.8
Net-(IC19-Pad2): IC19.2 R111.2 R113.1 R114.2
Net-(IC19-Pad5): IC19.5 IC19.8
Net-(IC20-Pad2): IC20.2 R117.2 R119.1 R120.2
Net-(IC20-Pad5): IC20.5 IC20.8
Net-(IC21-Pad2): IC21.2 R123.2 R125.1 R126.2
Net-(IC21-Pad5): IC21.5 IC21.8
Net-(IC22-Pad2): IC22.2 R129.2 R131.1 R132.2
Net-(IC22-Pad5): IC22.5 IC22.8
Net-(IC23-Pad2): IC23.2 R135.2 R137.1 R138.2
Net-(IC23-Pad5): IC23.5 IC23.8
Net-(IC24-Pad2): IC24.2 R141.2 R143.1 R144.2
Net-(IC24-Pad5): IC24.5 IC24.8
Net-(IC25-Pad2): IC25.2 R147.2 R149.1 R150.2
Net-(IC25-Pad5): IC25.5 IC25.8
Net-(IC26-Pad2): IC26.2 R153.2 R155.1 R156.2
Net-(IC26-Pad5): IC26.5 IC26.8
Net-(IC27-Pad2): IC27.2 R159.2 R161.1 R162.2
Net-(IC27-Pad5): IC27.5 IC27.8
Net-(IC28-Pad2): IC28.2 R165.2 R167.1 R168.2
Net-(IC28-Pad5): IC28.5 IC28.8
Net-(IC29-Pad2): IC29.2 R171.2 R173.1 R174.2
Net-(IC29-Pad5): IC29.5 IC29.8
Net-(IC30-Pad2): IC30.2 R177.2 R179.1 R180.2
Net-(IC30-Pad5): IC30.5 IC30.8
Net-(IC31-Pad2): IC31.2 R183.2 R185.1 R186.2
Net-(IC31-Pad5): IC31.5 IC31.8
Net-(IC32-Pad2): IC32.2 R189.2 R191.1 R192.2
Net-(IC32-Pad5): IC32.5 IC32.8
Net-(J2-Pad17): J2.17 J2.51 J2.70 J4.03
Net-(J3-Pad17): J3.17 J3.18 J3.51 J3.52 J3.69 J4.01
Net-(J6-Pad1): C119.2 J6.1 L34.1
Net-(J6-Pad3): C119.1 J6.3 L33.1
Net-(J8-Pad01): J8.01 R1.1
Net-(J8-Pad04): J8.04 R7.2
Net-(L1-Pad2): L1.2 R4.1
Net-(L2-Pad2): L2.2 R10.1
Net-(L3-Pad2): L3.2 R16.1
Net-(L4-Pad2): L4.2 R22.1
Net-(L5-Pad2): L5.2 R28.1
Net-(L6-Pad2): L6.2 R34.1
Net-(L7-Pad2): L7.2 R40.1
Net-(L8-Pad2): L8.2 R46.1
Net-(L9-Pad1): L9.1 R52.1
Net-(L10-Pad1): L10.1 R58.1
Net-(L11-Pad1): L11.1 R64.1
Net-(L12-Pad1): L12.1 R70.1
Net-(L13-Pad1): L13.1 R76.1
Net-(L14-Pad1): L14.1 R82.1
Net-(L15-Pad1): L15.1 R88.1
Net-(L16-Pad1): L16.1 R94.1
Net-(L17-Pad1): L17.1 R100.1
Net-(L18-Pad1): L18.1 R106.1
Net-(L19-Pad1): L19.1 R112.1
Net-(L20-Pad1): L20.1 R118.1
Net-(L21-Pad1): L21.1 R124.1
Net-(L22-Pad1): L22.1 R130.1
Net-(L23-Pad1): L23.1 R136.1
Net-(L24-Pad1): L24.1 R142.1
Net-(L25-Pad2): L25.2 R148.1
Net-(L26-Pad2): L26.2 R154.1
Net-(L27-Pad2): L27.2 R160.1
Net-(L28-Pad2): L28.2 R166.1
Net-(L29-Pad2): L29.2 R172.1
Net-(L30-Pad2): L30.2 R178.1
Net-(L31-Pad2): L31.2 R184.1
Net-(L32-Pad2): L32.2 R190.1

Pads without a net: IC1 1; IC2 1; IC3 1; IC4 1; IC5 1; IC6 1; IC7 1; IC8 1; IC9 1; IC10 1; IC11 1; IC12 1; IC13 1; IC14 1; IC15 1; IC16 1; IC17 1; IC18 1; IC19 1; IC20 1; IC21 1; IC22 1; IC23 1; IC24 1; IC25 1; IC26 1; IC27 1; IC28 1; IC29 1; IC30 1; IC31 1; IC32 1; J2 18 52 69; J3 70; J6 2

## Via types
v1: diameter 5.3, hole 4.3, Top to Bottom, 4 vias
v2: diameter 0.508, hole 0.254, Top to Bottom, 374 vias
v3: diameter 0.8, hole 0.4, Top to Bottom, 91 vias

## Routing (per net, layer and track width the routed paths; a pad name or vN(x,y) marks a point on that pad's centre or on a via; arc(x,y) is an arc through that point)
+48V: length 215.5
  Top w0.127: 13.73,121.07 13.7,121.1
  Top w0.5: IC4.7 102.65,105.14 ; 102.65,105.14 103.2,104.59 ; 102.65,105.14 103.2,105.68 v3(103.2,106.22) ; IC8.7 34.65,105.23 ; 34.65,105.23 35.2,105.78 v3(35.2,106.33) ; 34.65,105.23 35.2,104.69 ; v3(44.98,98) 47,98 ; C107.1 159.31,39.95 v3(158.29,38.93) 159.39,37.83 C109.1 ; v3(112.98,98) 115,98 ; 120.2,58.69 119.65,59.23 IC13.7 ; v3(52.2,106.33) 52.2,105.78 51.65,105.23 ; IC1.7 51.65,105.23 ; 51.65,105.23 52.2,104.69 ; v3(120.2,106.22) 120.2,105.68 119.65,105.14 ; IC11.7 85.65,59.23 86.2,58.69 ; IC6.7 136.65,105.14 ; 136.65,105.14 137.2,104.59 ; 136.65,105.14 137.16,105.64 v3(137.16,106.23) ; C3.1 v3(54.17,143.58) ; IC9.7 51.65,59.23 52.2,58.69 ; v3(129.98,98) 132,98 ; 119.65,105.14 120.2,104.59 ; 119.65,105.14 IC5.7 ; D13.2 83.48,65.98 ; v3(35.09,59.68) 34.65,59.24 34.65,59.23 ; C103.1 98.46,124.14 v3(98.44,124.16) 97.04,122.76 C108.1 ; 68.65,105.23 69.2,105.78 v3(69.2,106.33) ; 68.65,105.23 IC2.7 ; 68.65,105.23 69.2,104.69 ; v3(103.18,59.81) 103.19,59.8 103.2,59.8 102.65,59.25 ; 34.65,59.23 35.2,58.69 ; 34.65,59.23 IC16.7 ; 19.59,141.25 19.59,137.88 D33.C 12.1,126.3 13.7,124.7 13.7,121.1 ; IC3.7 85.65,105.14 ; 85.65,105.14 86.2,104.59 ; 85.65,105.14 86.2,105.68 v3(86.2,106.22) ; v3(95.98,98) 98,98 ; IC14.7 136.65,59.23 137.2,58.69 ; 103.2,58.69 102.65,59.23 IC12.7 ; D16.2 32.38,65.98 v3(32.4,66) ; D11.2 117.48,65.98 ; IC10.7 68.65,59.23 ; 68.65,59.23 69.2,58.69 ; 68.65,59.23 68.69,59.23 v3(69.18,59.72) ; v3(61.98,98) 64,98 ; 85.65,59.25 v3(86.2,59.8) ; 136.65,59.25 v3(137.2,59.8) ; v3(120.19,59.82) 120.2,59.81 120.2,59.8 119.65,59.25 ; C105.1 57.28,40.59 v3(59.75,38.11) 61.86,36 61.86,35.78 ; D10.2 134.48,65.98 ; v3(28,98) D8.2 ; v3(146.98,98) 149,98 ; v3(49.35,66) 49.33,65.98 D15.2 ; 153.65,59.23 154.15,59.73 v3(154.15,59.74) ; 153.65,59.23 152.31,59.23 ; 153.65,59.23 154.2,58.69 ; v3(52.14,59.74) 51.65,59.25 ; v3(78.98,98) 81,98 ; D14.2 66.37,65.98 v3(66.38,65.97) ; D9.2 151.48,65.98 ; 153.65,105.14 154.14,105.62 v3(154.14,106.16) ; 153.65,105.14 154.2,104.59 ; 153.65,105.14 IC7.7 ; R1.2 9.39,121.1 C1.1 ; D12.2 100.48,65.98
  Top w0.508: C104.1 142.58,117.81 v3(142.85,117.54) 142.85,115.97 C110.1
  Bottom w0.5: 114.95,112.55 v3(115.5,112) ; 113.61,112.56 114.95,112.56 115.5,113.11 ; 166.5,113.11 165.95,112.56 164.61,112.56 ; 47.5,48.01 46.95,47.47 IC32.7 ; 46.95,47.45 v3(47.5,46.9) ; IC25.7 63.95,47.47 64.5,48.01 ; 63.95,47.45 v3(64.5,46.9) ; IC26.7 80.95,47.47 81.5,48.01 ; IC27.7 97.95,47.47 98.5,48.01 ; 97.95,47.45 v3(98.5,46.9) ; IC29.7 131.95,47.47 132.5,48.01 ; 131.95,47.45 v3(132.5,46.9) ; IC30.7 148.95,47.47 149.5,48.01 ; 148.95,47.45 v3(149.5,46.9) ; IC31.7 165.95,47.47 166.5,48.01 ; 165.95,47.45 v3(166.5,46.9) ; IC28.7 114.95,47.47 115.5,48.01 ; 114.95,47.45 v3(115.5,46.9) ; D31.2 146.8,107.55 v3(147.25,108) ; 64.5,113.11 63.95,112.56 62.61,112.56 ; 147.61,112.56 148.95,112.56 149.5,113.11 ; v3(113.12,108.06) 112.66,107.62 110.84,107.62 ; 160,55.11 160,53.39 ; 109,55.11 109,53.39 ; 148.95,112.55 v3(149.5,112) ; v3(96.36,108.06) 95.92,107.62 94.09,107.62 ; 63.95,112.55 v3(64.5,112) ; 59.84,107.62 61.67,107.62 v3(62.11,108.06) ; 81.5,113.11 80.95,112.56 79.61,112.56 ; 80.95,112.55 v3(81.5,112) ; 127.84,107.62 129.66,107.62 v3(130.12,108.06) ; D17.2 41.04,53.54 v3(41,53.5) ; 131.95,112.55 v3(132.5,112) ; 143,55.11 143,53.39 ; 45.61,112.56 46.95,112.56 47.5,113.11 ; v3(79.11,108.06) 78.67,107.62 76.84,107.62 ; 132.5,113.11 131.95,112.56 130.61,112.56 ; 58,55.36 58,53.64 ; 96.61,112.56 97.95,112.56 98.5,113.11 ; 165.95,112.55 v3(166.5,112) ; v3(164.12,108.06) 163.66,107.62 161.84,107.62 ; 75,55.11 75,53.39 ; 46.95,112.55 v3(47.5,112) ; 97.95,112.55 v3(98.5,112) ; v3(45.11,108.06) 44.67,107.62 42.84,107.62 ; 80.95,47.45 80.99,47.41 v3(81.12,47.41) ; 126,55.11 126,53.39 ; 92,55.11 92,53.39
  vias: v3(57.96,53.61) v3(74.96,53.36) v3(83.5,66) v3(91.96,53.36) v3(100.5,66) v3(108.96,53.36) v3(117.5,66) v3(125.96,53.36) v3(134.5,66) v3(142.96,53.36) v3(151.5,66) v3(159.96,53.36)
